# KiCad board QSTU.kicad_pcb
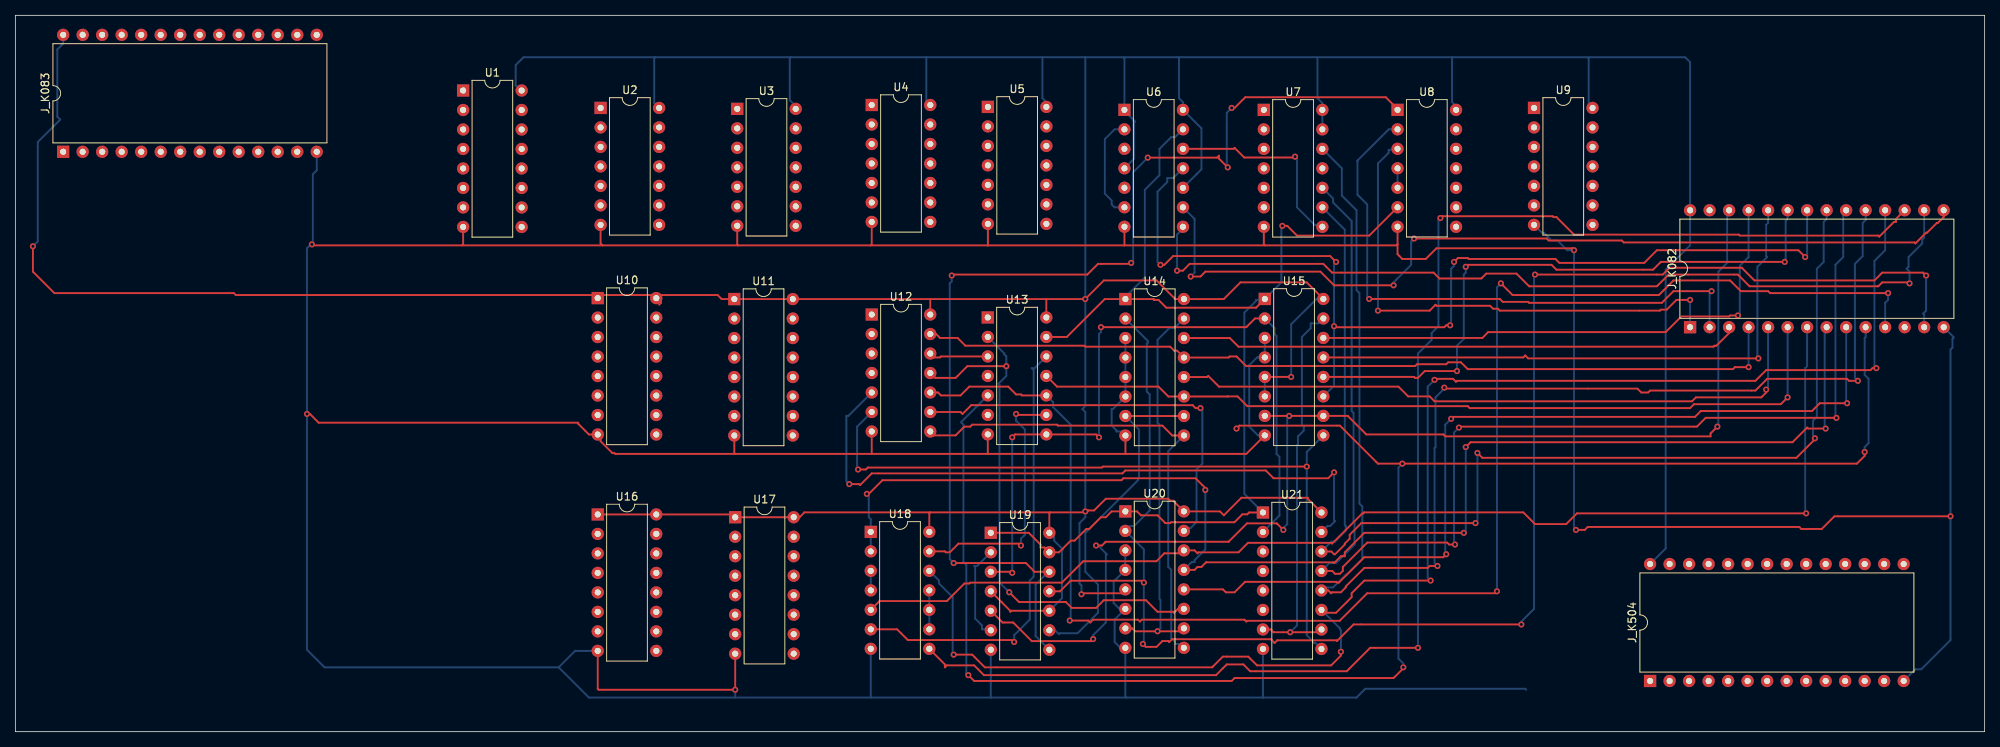
[diagram p0: board, top side]
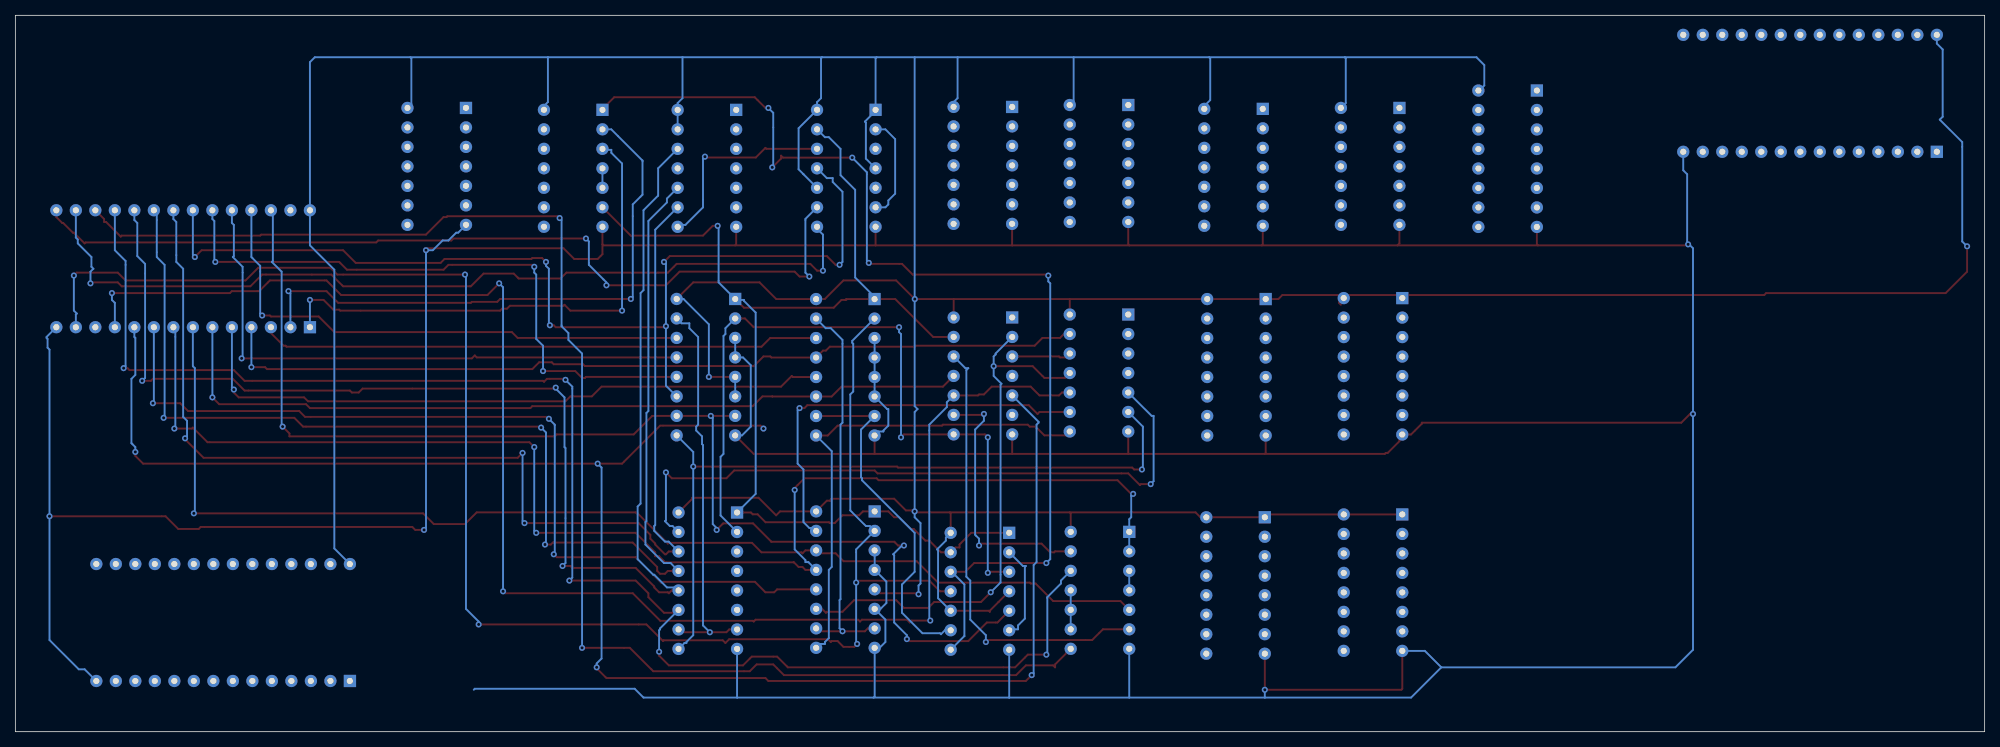
[diagram p1: board, bottom side, seen from below]

Outline 256.41 x 93.34 mm; copper layers: Top, Bottom. Coordinates in mm from the lower left corner of the outline.
Outline path: 0,93.34 256.41,93.34 256.41,0 0,0 0,93.34

## Placement (name value [footprint] x y rotation side)
J_K082  Conn_02x14_Counter_Clockwise  [DIP-28_W15.24mm]  218.06 52.71 90 top
J_K083  Conn_02x14_Counter_Clockwise  [DIP-28_W15.24mm]  6.22 75.57 90 top
J_K504  Conn_02x14_Counter_Clockwise  [DIP-28_W15.24mm]  212.85 6.6 90 top
U1  74LS157  [DIP-16_W7.62mm]  58.3 83.55 0 top
U2  74LS00  [DIP-14_W7.62mm]  76.2 81.28 0 top
U3  74LS00  [DIP-14_W7.62mm]  93.99 81.16 0 top
U4  74LS74  [DIP-14_W7.62mm]  111.51 81.66 0 top
U5  74LS74  [DIP-14_W7.62mm]  126.63 81.41 0 top
U6  74LS74  [DIP-14_W7.62mm]  144.41 81.03 0 top
U7  74LS20  [DIP-14_W7.62mm]  162.56 81.03 0 top
U8  74LS14  [DIP-14_W7.62mm]  179.97 81.03 0 top
U9  74LS107  [DIP-14_W7.62mm]  197.74 81.28 0 top
U10  74LS194  [DIP-16_W7.62mm]  75.83 56.5 0 top
U11  74LS194  [DIP-16_W7.62mm]  93.61 56.37 0 top
U12  74LS04  [DIP-14_W7.62mm]  111.51 54.36 0 top
U13  74LS74  [DIP-14_W7.62mm]  126.62 53.98 0 top
U14  74LS161  [DIP-16_W7.62mm]  144.54 56.37 0 top
U15  74LS161  [DIP-16_W7.62mm]  162.69 56.39 0 top
U16  74LS194  [DIP-16_W7.62mm]  75.83 28.31 0 top
U17  74LS194  [DIP-16_W7.62mm]  93.73 27.94 0 top
U18  74LS00  [DIP-14_W7.62mm]  111.38 26.04 0 top
U19  74LS74  [DIP-14_W7.62mm]  127.01 25.91 0 top
U20  74LS161  [DIP-16_W7.62mm]  144.53 28.7 0 top
U21  74LS161  [DIP-16_W7.62mm]  162.44 28.56 0 top

## Library data of the parts
J_K082 J_K083 J_K504 = -: Description: Generic connector, double row, 02x14, counter clockwise pin numbering scheme (similar to DIP package numbering), script generated (kicad-library-utils/schlib/autogen/connector/)
U1 = -: Description: Quad 2 to 1 line Multiplexer
U2 U3 U18 = -: Description: quad 2-input NAND gate
U4-U6 U13 U19 = -: Description: Dual D Flip-flop, Set & Reset
U7 = -: Description: Dual 4-input NAND
U8 = -: Description: Hex inverter schmitt trigger
U9 = -: Description: Dual JK Flip-Flop, reset
U10 U11 U16 U17 = -: Description: Shift Register 4-bit Bidirectional
U12 = -: Description: Hex Inverter
U14 U15 U20 U21 = -: Description: Synchronous 4-bit programmable binary Counter

## Footprints (pads in the part's own frame, mm; a bottom-side part is the same pattern mirrored in y, then rotated)
DIP-14_W7.62mm
  rect 1.6x1.6 hole 0.8: 1(0,0)
  oval 1.6x1.6 hole 0.8: 2(0,-2.54) 3(0,-5.08) 4(0,-7.62) 5(0,-10.16) 6(0,-12.7) 7(0,-15.24) 8(7.62,-15.24) 9(7.62,-12.7) 10(7.62,-10.16) 11(7.62,-7.62) 12(7.62,-5.08) 13(7.62,-2.54) 14(7.62,0)
DIP-16_W7.62mm
  rect 1.6x1.6 hole 0.8: 1(0,0)
  oval 1.6x1.6 hole 0.8: 2(0,-2.54) 3(0,-5.08) 4(0,-7.62) 5(0,-10.16) 6(0,-12.7) 7(0,-15.24) 8(0,-17.78) 9(7.62,-17.78) 10(7.62,-15.24) 11(7.62,-12.7) 12(7.62,-10.16) 13(7.62,-7.62) 14(7.62,-5.08) 15(7.62,-2.54) 16(7.62,0)
DIP-28_W15.24mm
  rect 1.6x1.6 hole 0.8: 1(0,0)
  oval 1.6x1.6 hole 0.8: 2(0,-2.54) 3(0,-5.08) 4(0,-7.62) 5(0,-10.16) 6(0,-12.7) 7(0,-15.24) 8(0,-17.78) 9(0,-20.32) 10(0,-22.86) 11(0,-25.4) 12(0,-27.94) 13(0,-30.48) 14(0,-33.02) 15(15.24,-33.02) 16(15.24,-30.48) 17(15.24,-27.94) 18(15.24,-25.4) 19(15.24,-22.86) 20(15.24,-20.32) 21(15.24,-17.78) 22(15.24,-15.24) 23(15.24,-12.7) 24(15.24,-10.16) 25(15.24,-7.62) 26(15.24,-5.08) 27(15.24,-2.54) 28(15.24,0)

## Nets
+5V: J_K082.28 J_K083.28 J_K504.28 U1.16 U2.14 U3.14 U4.14 U5.14 U6.1 U6.4 U6.10 U6.14 U7.13 U7.14 U8.14 U9.14 U10.16 U11.1 U11.16 U12.14 U13.14 U14.16 U15.5 U15.6 U15.16 U16.1 U16.16 U17.1 U17.16 U18.14 U19.4 U19.10 U19.14 U20.5 U20.16 U21.16
GND: J_K082.14 J_K083.14 J_K504.14 U1.8 U2.7 U3.7 U4.7 U5.7 U6.7 U7.7 U8.7 U9.7 U10.8 U11.8 U12.7 U13.7 U14.3 U14.4 U14.5 U14.6 U14.8 U15.3 U15.4 U15.8 U16.8 U17.8 U18.7 U19.7 U20.3 U20.4 U20.6 U20.8 U21.6 U21.8
K082_CLK: U13.8 U15.2 U19.3 U21.2
K082_nReset: U6.13 U8.6 U13.13 U14.1 U15.1 U19.1 U19.13 U20.1 U21.1
K082_P01: J_K082.1 U8.3
K082_P02: J_K082.2 U8.2
K082_P03: J_K082.3 U14.14
K082_P04: J_K082.4 U12.13 U14.13
K082_P05: J_K082.5 U14.12
K082_P06: J_K082.6 U13.11 U14.11
K082_P07: J_K082.7 U18.5 U20.14
K082_P08: J_K082.8 U18.1 U18.2 U20.13
K082_P09: J_K082.9 U20.12
K082_P10: J_K082.10 U13.5
K082_P11: J_K082.11 U12.10 U13.10
K082_P12: J_K082.12
K082_P13: J_K082.13 U14.2 U19.11 U20.2
K082_P15: J_K082.15 U6.9
K082_P16: J_K082.16 U6.8
K082_P17: J_K082.17 U18.8
K082_P18: J_K082.18 U18.12 U21.11
K082_P19: J_K082.19 U7.12 U21.12
K082_P20: J_K082.20 U7.10 U21.13
K082_P21: J_K082.21 U7.9 U21.14
K082_P22: J_K082.22 U6.11 U15.11
K082_P23: J_K082.23 U15.12
K082_P24: J_K082.24 U15.13
K082_P25: J_K082.25 U15.14
K082_P26: J_K082.26 U15.7 U15.10 U19.5
Net-(U6A-D): U6.2 U6.6
Net-(U6B-D): U6.12 U7.8
Net-(U8-Pad4): U8.4 U8.5
Net-(U13A-C): U12.12 U13.3
Net-(U13A-D): U12.11 U13.2 U20.11
Net-(U13B-D): U13.12 U18.6
Net-(U13B-Q): U13.9 U18.13
Net-(U14-CEP): U14.7 U14.10 U19.9
Net-(U14-TC): U14.15 U20.7 U20.10
Net-(U14-~{PE}): U12.8 U14.9 U20.9
Net-(U15-TC): U15.15 U21.7 U21.10
Net-(U15-~{PE}): U12.6 U15.9 U21.9
Net-(U18-Pad3): U18.3 U18.4
Net-(U18-Pad10): U18.9 U18.10 U18.11
Net-(U19A-D): U19.2 U19.6
Net-(U19B-D): U8.1 U19.8 U19.12
Net-(U20-TC): U12.9 U20.15
Net-(U21-TC): U12.5 U21.15

Pads without a net: J_K082 27; J_K083 1 2 3 4 5 6 7 8 9 10 11 12 13 15 16 17 18 19 20 21 22 23 24 25 26 27; J_K504 1 2 3 4 5 6 7 8 9 10 11 12 13 15 16 17 18 19 20 21 22 23 24 25 26 27; U1 1 2 3 4 5 6 7 9 10 11 12 13 14 15; U2 1 2 3 4 5 6 8 9 10 11 12 13; U3 1 2 3 4 5 6 8 9 10 11 12 13; U4 1 2 3 4 5 6 8 9 10 11 12 13; U5 1 2 3 4 5 6 8 9 10 11 12 13; U6 3 5; U7 1 2 3 4 5 6 11; U8 8 9 10 11 12 13; U9 1 2 3 4 5 6 8 9 10 11 12 13; U10 1 2 3 4 5 6 7 9 10 11 12 13 14 15; U11 2 3 4 5 6 7 9 10 11 12 13 14 15; U12 1 2 3 4; U13 1 4 6; U16 2 3 4 5 6 7 9 10 11 12 13 14 15; U17 2 3 4 5 6 7 9 10 11 12 13 14 15; U21 3 4 5

## Via types
v1: diameter 0.8, hole 0.4, Top to Bottom, 102 vias

## Routing (per net, layer and track width the routed paths; a pad name or vN(x,y) marks a point on that pad's centre or on a via; arc(x,y) is an arc through that point)
+5V: length 741.8
  Top w0.25: U13.14 134.24,56.37 ; 134.24,56.37 119.13,56.37 ; 134.24,56.37 v1(139.3,56.37) 141.73,58.8 148.59,58.8 151.02,56.37 U14.16 157.34,56.37 159.51,58.55 168.15,58.55 U15.16 ; U19.4 128.4,16.91 128.4,16.89 129.54,15.75 129.54,15.62 129.67,15.75 U19.10 ; U15.5 v1(166.12,46.23) ; v1(138.81,17.91) 138.94,18.03 144.02,18.03 U20.5 ; U12.14 119.13,56.37 ; 119.13,56.37 U11.16 U11.1 91.96,56.37 91.44,56.9 84.07,56.9 ; 134.75,28.58 134.63,28.46 U19.14 ; 134.75,28.58 119.13,28.58 ; 134.75,28.58 139.45,28.58 139.7,28.83 140.46,28.83 141.99,30.35 150.11,30.35 150.37,30.1 150.75,30.1 U20.16 156.84,28.7 157.35,28.19 159.64,30.48 168.28,30.48 168.28,30.35 U21.16 ; U18.14 119,28.45 119.13,28.58 ; 119.13,28.58 102.74,28.58 102.11,27.94 U17.16 U17.1 93.36,28.31 U16.16 ; 83.82,55.63 84.07,55.88 84.07,56.9 ; 84.07,56.9 28.7,56.9 28.45,57.15 5.08,57.15 2.29,59.94 v1(2.29,63.25) ; U16.1 83.81,28.31
  Bottom w0.25: 152.03,70.87 153.8,72.64 153.8,72.64 154.43,73.28 154.43,78.63 152.03,81.03 152.03,82.03 151.51,82.55 151.51,87.76 151.38,87.88 ; U8.14 187.59,81.52 187.07,82.04 187.07,87.88 ; 83.31,87.88 66.17,87.88 65.15,86.87 65.15,84.2 65.8,83.55 U1.16 ; 83.31,87.88 100.97,87.88 ; 83.31,87.88 83.19,87.76 83.19,81.92 U2.14 ; 187.07,87.88 169.55,87.88 ; 187.07,87.88 204.98,87.88 ; 169.55,87.88 169.55,82.55 170.18,81.92 U7.14 U7.13 ; 169.55,87.88 151.38,87.88 ; 204.98,87.88 217.42,87.88 218.06,87.25 J_K082.28 218.06,63.37 214.88,60.2 214.88,23.88 J_K504.28 ; 204.98,87.88 204.85,87.76 204.85,81.79 U9.14 ; v1(166.12,46.23) 166.12,53.09 169.42,56.39 U15.16 ; J_K083.28 6.22,89.66 5.46,88.9 5.46,80.14 5.84,79.76 2.92,76.84 2.92,63.88 v1(2.29,63.25) ; 100.97,87.88 100.84,87.76 100.84,82.3 101.61,81.52 U3.14 ; 100.97,87.88 118.62,87.88 ; 139.32,87.88 139.32,42.42 138.94,42.04 139.32,41.66 v1(139.32,28.7) 139.32,27.94 138.56,27.18 138.56,19.3 138.81,19.05 v1(138.81,17.91) ; 139.32,87.88 133.73,87.88 ; 139.32,87.88 144.27,87.88 ; U6.4 145.67,74.67 145.67,79.38 145.8,79.5 144.41,80.89 U6.1 144.41,87.75 144.27,87.88 ; 133.73,87.88 133.73,82.55 134.25,82.03 134.25,81.41 ; 133.73,87.88 118.62,87.88 ; 151.38,87.88 144.27,87.88 ; U4.14 118.62,82.17 118.62,87.88 ; U15.5 U15.6 ; U19.14 135.25,25.29 135.25,24.89 136.4,23.75 136.27,23.62 136.27,17.39 U19.10
GND: length 802.2
  Top w0.25: 144.4,63.37 162.69,63.37 ; 144.4,63.37 126.62,63.37 ; 144.4,63.37 144.41,63.38 U6.7 ; 162.69,63.37 179.84,63.37 179.97,63.5 ; 162.69,63.37 162.56,63.5 U7.7 ; 111.38,63.37 126.62,63.37 ; 111.38,63.37 94.11,63.37 ; 111.38,63.37 111.51,63.5 U4.7 ; 126.62,63.37 126.63,63.38 U5.7 ; v1(38.61,63.5) 38.73,63.37 58.17,63.37 ; 76.45,63.37 94.11,63.37 ; 76.45,63.37 58.17,63.37 ; 76.45,63.37 76.2,63.63 U2.7 ; 94.11,63.37 93.99,63.49 U3.7 ; 58.17,63.37 58.3,63.51 U1.8 ; v1(202.95,62.74) 202.69,62.99 185.04,62.99 183.64,61.6 180.59,61.6 179.97,62.22 179.97,63.5 ; U12.7 111.51,36.2 ; 111.51,36.2 126.62,36.2 ; 111.51,36.2 93.73,36.2 ; U16.8 75.83,5.58 75.95,5.46 v1(93.73,5.46) 93.85,5.59 93.73,5.72 U17.8 ; 144.53,36.2 160.27,36.2 U15.8 ; 144.53,36.2 144.54,36.21 U14.8 ; 144.53,36.2 126.62,36.2 ; 179.97,63.5 U8.7 ; 126.62,36.2 U13.7 ; 93.73,36.2 78.1,36.2 77.98,36.32 77.72,36.32 76.2,37.85 76.2,38.35 U10.8 74.69,38.72 73.28,40.13 73.28,40.26 39.5,40.26 38.35,41.4 v1(37.97,41.4) ; 93.73,36.2 93.61,36.31 U11.8 ; v1(203.2,26.29) 204.34,26.29 204.72,26.67 232.28,26.67 232.54,26.42 235.2,26.42 236.86,28.07 v1(251.97,28.07)
  Bottom w0.25: 162.43,4.45 174.62,4.45 175.77,5.59 196.6,5.59 196.72,5.46 ; 162.43,4.45 162.44,4.46 U21.8 ; 162.43,4.45 144.65,4.45 ; U19.7 127.01,4.46 127,4.45 ; U14.3 U14.4 U14.5 U14.6 142.9,42.04 142.75,42.04 142.75,39.88 143.38,39.24 143.38,39.12 144.01,39.12 U14.8 ; 70.74,8.38 72.88,10.53 U16.8 ; 70.74,8.38 40.26,8.38 37.97,10.67 37.97,62.99 38.73,63.75 38.73,72.64 39.24,73.15 J_K083.14 ; 70.74,8.38 74.68,4.45 93.73,4.45 ; U15.8 161.8,38.61 160.66,39.75 160.66,47.75 161.67,48.77 162.69,48.77 U15.3 ; 127,4.45 144.65,4.45 ; 127,4.45 111.38,4.45 ; 144.65,4.45 144.53,4.57 U20.8 143.89,10.92 143.13,11.68 143.13,14.61 U20.6 143.76,16 143,16.76 143,19.56 U20.4 U20.3 ; 93.73,4.45 v1(93.73,5.46) ; 93.73,4.45 111.38,4.45 ; J_K504.14 247.4,8.13 248.16,8.13 251.97,11.94 251.97,49.78 252.22,50.04 252.22,51.18 252.35,51.31 252.35,51.44 J_K082.14 ; U18.7 111.38,4.45 ; U9.7 198.75,65.02 199.01,65.02 200.03,64.01 200.79,64.01 202.06,62.74 v1(202.95,62.74) 202.95,26.54 v1(203.2,26.29)
K082_CLK: length 97.9
  Top w0.25: 162.69,53.85 161.42,53.85 160.28,52.71 141.35,52.71 v1(141.35,52.71) ; v1(141.1,38.35) 140.72,38.74 U13.8 130.18,38.74 v1(129.79,38.35) ; U19.3 129.66,20.83 v1(129.79,20.7)
  Bottom w0.25: v1(141.1,38.35) 141.1,51.82 141.35,52.07 v1(141.35,52.71) ; v1(129.79,20.7) v1(129.79,38.35) ; 162.69,53.85 163.96,52.58 163.96,51.82 164.21,51.56 164.21,36.2 164.59,35.81 164.59,28.17 162.44,26.02
K082_nReset: length 155.3
  Top w0.25: U15.1 161.54,55.25 149.86,55.25 148.84,56.26 148.34,56.26 ; 148.34,56.26 148.22,56.37 U14.1 141.84,56.37 136.91,51.44 U13.13 ; 148.34,56.26 148.21,56.26 ; U19.1 131.95,25.91 133.48,24.38 133.48,24 134,24 U19.13 135.9,23.37 137.41,24.89 137.92,24.89 139.45,26.42 139.83,26.42 141.35,27.94 141.99,27.94 142.75,28.7 U20.1 146.05,28.7 146.56,28.19 148.72,28.19 149.73,27.18 150.37,27.18 150.48,27.29 158.73,27.29 159.77,28.32 160.4,28.32 160.64,28.56 U21.1 ; v1(164.97,65.91) 165.61,65.91 166.88,64.64 176.28,64.64 U8.6
  Bottom w0.25: U14.1 144.54,56.65 147.07,59.18 147.07,70.61 148.97,72.52 148.97,75.95 150.5,77.47 151.01,77.47 152.03,78.49 ; U21.1 162.44,28.57 160.02,30.99 160.02,54.61 161.54,56.13 161.54,56.26 162.56,56.26 U15.1 164.85,58.55 164.85,65.79 v1(164.97,65.91)
K082_P01: length 68.1
  Top w0.25: v1(177.42,54.86) 184.15,54.86 184.91,55.63 185.04,55.5 192.02,55.5 192.41,55.12 193.04,55.12 193.29,54.86 214.12,54.86 214.25,54.99 215.01,54.99 216.28,56.26 v1(218.06,56.26)
  Bottom w0.25: v1(177.42,54.86) 177.42,74.04 178.82,75.44 178.82,75.82 179.84,75.82 U8.3 ; J_K082.1 v1(218.06,56.26)
K082_P02: length 75.8
  Top w0.25: v1(220.85,57.4) 215.9,57.4 214.38,55.88 197.1,55.88 196.98,56.01 193.68,56.01 193.29,56.39 v1(176.28,56.39)
  Bottom w0.25: v1(176.28,56.39) 176.02,56.64 176.02,68.71 174.75,69.98 174.75,74.42 178.82,78.49 U8.2 ; v1(220.85,57.4) 220.6,57.15 220.6,52.71
K082_P03: length 72.9
  Top w0.25: J_K082.3 223.14,51.94 221.49,50.29 221.23,50.29 221.11,50.17 159.26,50.17 158.13,51.29 U14.14
K082_P04: length 114.3
  Top w0.25: U12.13 119.89,51.82 120.4,51.31 122.68,51.31 123.7,50.29 139.19,50.29 139.32,50.17 150.37,50.17 150.88,49.66 151.25,49.66 U14.13 157.97,48.75 158.12,48.9 159,48.9 160.27,47.63 160.29,47.64 182.26,47.64 182.5,47.88 186.31,47.88 186.56,48.13 188.21,48.13 189.1,47.24 223.65,47.24 223.9,47.5 v1(225.68,47.5)
  Bottom w0.25: J_K082.4 v1(225.68,47.5)
K082_P05: length 86.3
  Top w0.25: v1(227.97,44.58) 227.97,44.2 227.33,43.56 218.82,43.56 218.31,43.05 184.78,43.05 184.15,43.69 181.36,43.69 180.09,44.96 156.72,44.96 155.32,46.36 155.18,46.21 U14.12
  Bottom w0.25: J_K082.5 228.22,44.83 v1(227.97,44.58)
K082_P06: length 108
  Top w0.25: v1(230.76,43.56) 229.87,42.67 218.57,42.67 218.06,42.16 189.36,42.16 189.1,42.42 160.4,42.42 159.13,43.69 157.86,43.69 157.85,43.67 U14.11 150.13,43.67 148.84,44.96 135.64,44.96 U13.11
  Bottom w0.25: 230.76,52.71 v1(230.76,43.56)
K082_P07: length 153.1
  Top w0.25: v1(233.17,28.45) 203.33,28.45 201.93,27.05 197.87,27.05 196.34,28.58 175.64,28.58 175.51,28.45 175.39,28.45 171.45,24.51 171.36,24.61 160.5,24.61 159.26,23.37 154.05,23.37 153.92,23.24 153.54,23.62 U20.14 151.77,23.24 149.61,23.24 148.57,22.21 139.05,22.21 136.26,19.42 124.32,19.42 124.21,19.3 123.57,19.3 121.28,17.02 112.52,17.02 U18.5
  Bottom w0.25: v1(233.17,28.45) 233.05,28.58 233.05,47.37 233.3,47.63 J_K082.7
K082_P08: length 176.7
  Top w0.25: v1(188.59,25.91) 175.64,25.91 173.1,23.37 173.1,22.86 172.59,22.86 171.7,21.97 171.61,22.07 155.1,22.07 155.07,22.1 154.43,21.46 153.92,21.46 153.54,21.08 U20.13 ; v1(154.94,31.5) 154.94,31.75 153.67,33.02 144.27,33.02 144.02,32.77 112.9,32.77 111.12,30.99 v1(110.87,30.99) ; v1(235.71,39.5) 233.43,39.5 233.3,39.62 231.39,37.72 189.48,37.72 v1(188.85,37.08)
  Bottom w0.25: v1(188.59,25.91) 188.85,26.16 v1(188.85,37.08) ; U20.13 153.16,22.1 153.54,22.1 153.54,22.35 154.94,23.75 v1(154.94,31.5) ; v1(110.87,30.99) 111.12,30.73 111.12,27.94 111.38,27.69 U18.1 U18.2 ; J_K082.8 235.59,52.45 235.59,39.62 v1(235.71,39.5)
K082_P09: length 116.8
  Top w0.25: U20.12 157.23,18.54 157.61,18.16 158.75,18.16 160.11,19.53 171.99,19.53 172.09,19.43 172.34,19.43 175.64,22.73 185.93,22.73 v1(186.31,23.11) ; v1(186.94,40.77) 187.2,41.02 218.69,41.02 219.46,41.78 233.93,41.78 234.95,42.8 v1(238.51,42.8)
  Bottom w0.25: v1(186.94,40.77) 186.18,40.01 186.18,23.24 v1(186.31,23.11) ; v1(238.51,42.8) 238.38,42.93 J_K082.9
K082_P10: length 224.7
  Top w0.25: v1(159,39.5) 159.39,39.88 172.47,39.88 177.42,34.93 239.78,34.93 240.79,35.94 v1(240.79,36.45) ; v1(180.72,8.38) 180.72,8.25 179.45,6.99 158.75,6.99 158.37,6.6 124.84,6.6 v1(124.08,7.37)
  Bottom w0.25: v1(180.59,34.93) 180.09,34.42 180.09,9.53 180.72,8.89 v1(180.72,8.38) ; U13.5 123.19,40.39 123.19,40.26 123.44,40.01 123.44,22.1 123.83,21.72 123.83,7.62 v1(124.08,7.37) ; v1(240.79,36.45) 240.79,37.08 241.3,37.59 241.3,45.97 240.79,46.48 240.79,51.31 240.92,51.44 J_K082.10
K082_P11: length 202.2
  Top w0.25: v1(192.91,18.29) 192.66,18.03 176.02,18.03 172.43,14.45 160.37,14.45 160.27,14.35 160.04,14.59 146.67,14.59 146.43,14.35 146.19,14.59 140.32,14.59 139.95,14.22 139.7,14.48 v1(137.29,14.48) ; v1(243.84,57.15) 228.47,57.15 228.22,57.4 224.66,57.4 223.27,58.8 215.9,58.8 214,56.9 194.94,56.9 v1(193.42,58.42) ; U12.10 120.14,44.2 120.52,43.82 123.06,43.82 124.21,44.96 129.29,44.96 130.3,43.94 130.94,43.94 131.06,43.82 U13.10
  Bottom w0.25: U13.10 135.13,42.93 135.13,42.29 137.41,40.01 137.41,14.61 v1(137.29,14.48) ; v1(192.91,18.29) 192.91,57.91 v1(193.42,58.42) ; J_K082.11 243.46,55.88 243.84,56.26 v1(243.84,57.15)
K082_P13: length 216.5
  Top w0.25: U19.11 136.01,18.29 136.02,18.29 137.4,19.67 146.7,19.67 v1(146.94,19.43) ; v1(196.09,13.97) 174.24,13.97 172.09,11.81 171.99,11.91 164.31,11.91 163.96,11.56 163.47,12.05 150.6,12.05 150.24,11.68 150.11,11.81 149.35,11.81 148.59,11.05 147.19,11.05 v1(146.81,11.43) ; v1(197.87,59.56) 214.5,59.56 215.39,60.45 224.79,60.45 226.44,58.8 242.06,58.8 243.08,59.82 248.41,59.82 v1(248.79,59.44)
  Bottom w0.25: U14.2 147.45,50.92 147.45,50.67 147.32,50.55 147.32,44.32 147.7,43.94 147.7,28.83 145.67,26.8 145.16,26.8 U20.2 146.94,23.75 146.94,11.56 v1(146.81,11.43) ; J_K082.13 248.54,54.36 248.41,54.48 248.79,54.86 v1(248.79,59.44) ; v1(196.09,13.97) 196.09,14.35 197.74,16 197.74,59.44 v1(197.87,59.56)
K082_P15: length 116
  Top w0.25: v1(182.12,64.26) 199.39,64.26 199.64,64.01 209.17,64.01 209.42,63.75 247.27,63.75 247.4,63.63 248.79,65.02 248.92,65.02 250.19,66.29 250.32,66.29 251.08,67.06 J_K082.15 ; v1(179.45,58.17) 171.7,58.17 169.93,59.94 154.94,59.94 154.31,59.31 v1(153.03,59.31)
  Bottom w0.25: v1(182.12,64.26) 181.74,63.88 181.74,60.83 179.45,58.55 v1(179.45,58.17) ; 152.03,68.33 153.54,66.82 153.54,59.82 v1(153.03,59.31)
K082_P16: length 115.7
  Top w0.25: v1(151.26,60.07) 152.02,60.07 152.91,60.96 170.31,60.96 171.45,59.82 184.66,59.82 185.42,59.06 190.88,59.06 191.52,59.69 195.45,59.69 197.1,58.04 213.74,58.04 215.27,59.56 224.28,59.56 225.81,58.04 242.57,58.04 243.08,58.55 246.51,58.55 v1(246.63,58.42)
  Bottom w0.25: v1(151.26,60.07) 151.26,64.77 152.03,65.54 152.03,65.79 ; J_K082.16 248.54,64.39 248.29,64.14 248.29,63.63 246.51,61.85 246.51,60.58 246.25,60.33 246.63,59.94 v1(246.63,58.42)
K082_P17: length 188.2
  Top w0.25: J_K082.17 244.86,66.8 244.86,66.42 244.6,66.42 242.7,64.52 242.57,64.64 224.54,64.64 224.41,64.77 202.95,64.77 200.66,67.06 200.28,67.06 200.17,67.17 185.78,67.17 v1(185.55,66.93) ; v1(182.63,10.92) 176.4,10.92 173.36,7.87 160.78,7.87 159.89,8.76 157.73,8.76 156.34,7.37 126.11,7.37 124.84,8.64 121.28,8.64 121.03,8.38 121.03,8.76 U18.8
  Bottom w0.25: v1(185.55,66.93) 185.29,66.68 185.29,52.83 184.4,51.94 184.4,51.05 182.63,49.28 v1(182.63,10.92)
K082_P18: length 194.7
  Top w0.25: v1(184.28,19.69) 175.64,19.69 173.99,18.03 173.99,17.53 171.96,15.49 170.43,15.49 170.06,15.86 ; v1(122.17,10.03) 124.59,10.03 126.24,8.38 155.83,8.38 157.23,9.78 160.53,9.78 161.67,8.64 171.32,8.64 172.59,9.91 v1(172.59,10.41) ; v1(242.32,47.37) 241.81,47.37 241.55,47.12 227.97,47.12 226.57,45.72 187.71,45.72 187.58,45.59 187.2,45.97 184.91,45.97 v1(184.78,45.85)
  Bottom w0.25: 170.06,15.86 172.47,13.46 172.47,13.34 172.59,13.21 v1(172.59,10.41) ; v1(184.78,45.85) 183.9,44.96 183.9,20.07 v1(184.28,19.69) ; v1(242.32,47.37) 242.06,47.63 242.06,61.34 243.46,62.74 J_K082.18 ; v1(122.17,10.03) 122.05,10.16 122.05,17.53 120.27,19.3 120.27,19.69 U18.12
K082_P19: length 181.3
  Top w0.25: v1(186.06,44.83) 186.18,44.7 211.2,44.7 211.71,44.2 212.6,44.2 212.85,44.45 226.57,44.45 228.09,45.97 238.51,45.97 238.76,45.72 v1(239.9,45.72) ; U21.12 170.96,18.4 171.32,18.03 171.45,18.16 172.59,18.16 173.23,18.8 173.23,18.92 175.64,21.34 183.9,21.34 184.15,21.59 v1(185.17,21.59)
  Bottom w0.25: U7.12 172.72,73.41 172.72,69.85 174.62,67.95 174.62,57.53 175.01,57.15 175.01,29.72 175.39,29.34 175.39,22.48 173.36,20.45 173.23,20.45 171.58,18.8 170.46,18.8 U21.12 ; J_K082.19 240.92,66.68 240.54,66.29 240.54,61.98 239.52,60.96 239.52,46.1 v1(239.9,45.72) ; v1(186.06,44.83) 186.06,44.7 184.91,43.56 184.91,37.08 184.78,36.96 184.78,21.97 v1(185.17,21.59)
K082_P20: length 166.5
  Top w0.25: v1(187.45,24.38) 186.69,24.38 186.44,24.64 176.02,24.64 172.85,21.46 172.85,20.96 172.47,20.57 171.83,20.57 171.47,20.94 170.06,20.94 ; v1(187.96,39.62) 188.09,39.75 218.95,39.75 220.09,40.89 v1(237.11,40.89)
  Bottom w0.25: 170.06,20.94 171.09,21.97 171.96,21.97 174.37,24.38 174.37,27.31 174.24,27.43 174.24,41.53 173.99,41.78 173.99,66.55 171.58,68.96 171.58,69.47 U7.10 ; v1(237.11,40.89) 236.98,41.02 236.98,60.83 238,61.85 238,67.56 J_K082.20 ; v1(187.96,39.62) 187.33,38.99 187.33,24.51 v1(187.45,24.38)
K082_P21: length 155.1
  Top w0.25: v1(234.31,38.23) 234.31,38.1 231.9,35.69 191.01,35.69 v1(190.37,36.32) ; U21.14 171.34,23.48 171.7,23.11 171.83,23.11 173.1,24.38 173.1,24.51 173.74,25.15 173.74,25.65 175.26,27.18 v1(190.12,27.18)
  Bottom w0.25: v1(190.12,27.18) 190.37,27.43 v1(190.37,36.32) ; U7.9 173.1,65.41 173.1,26.92 173.23,26.8 173.23,26.16 171.83,24.77 171.35,24.77 U21.14 ; v1(234.31,38.23) 234.06,38.48 234.06,40.51 234.57,41.02 234.57,60.33 235.46,61.21 235.46,66.42 235.84,66.8 J_K082.21
K082_P22: length 133.6
  Top w0.25: v1(171.96,61.21) 171.2,61.98 150.75,61.98 149.61,60.83 v1(149.1,60.83) ; v1(186.82,52.96) 186.31,52.96 186.06,52.71 171.83,52.71 v1(171.7,52.83) ; v1(187.33,61.21) 187.83,61.72 189.1,61.72 189.23,61.6 200.53,61.6 201.04,61.09 212.09,61.09 213.74,62.74 232.16,62.74 v1(233.05,61.85)
  Bottom w0.25: v1(186.82,52.96) 186.94,53.09 186.94,60.33 187.33,60.71 v1(187.33,61.21) ; 152.03,73.41 150.75,72.14 149.99,72.14 149.99,71.63 148.72,70.36 148.72,61.21 v1(149.1,60.83) ; v1(171.96,61.21) 171.7,60.96 v1(171.7,52.83) 171.7,45.09 U15.11 ; v1(233.05,61.85) 233.3,62.1 J_K082.22
K082_P23: length 81.1
  Top w0.25: v1(230.38,61.21) 214.25,61.21 213.23,60.2 200.66,60.2 200.03,60.83 189.1,60.83 v1(188.85,60.58) ; U15.12 182.12,46.23 182.25,46.1 182.63,46.1 183.52,46.99 v1(187.71,46.99)
  Bottom w0.25: 230.76,67.95 230.76,66.8 230.5,66.55 230.5,61.34 v1(230.38,61.21) ; v1(188.85,60.58) 188.85,59.82 188.59,59.56 188.59,51.18 187.71,50.29 v1(187.71,46.99)
K082_P24: length 76.9
  Top w0.25: 170.31,48.77 196.34,48.77 196.6,49.02 196.98,48.64 v1(226.95,48.64)
  Bottom w0.25: J_K082.24 228.22,66.29 227.97,66.04 227.97,61.98 228.09,61.85 226.82,60.58 226.82,48.77 v1(226.95,48.64)
K082_P25: length 69.5
  Top w0.25: v1(224.28,54.23) 223.27,54.23 223.14,54.1 216.92,54.1 214.88,52.07 191.77,52.07 191.01,51.31 U15.14
  Bottom w0.25: J_K082.25 225.68,61.85 224.54,60.71 224.54,54.48 v1(224.28,54.23)
K082_P26: length 159.6
  Top w0.25: v1(140.34,12.06) 140.07,11.8 132.35,11.8 129.92,14.22 128.54,14.22 U19.5 ; U15.7 v1(165.86,41.15) U15.10 173.48,41.15 175.9,38.74 185.93,38.74 186.18,38.48 220.73,38.48 220.73,38.86 v1(221.62,39.75) ; v1(165.1,26.29) 164.24,27.15 160.37,27.15 157.97,24.75 141.97,24.75 141.48,24.26 v1(140.72,24.26)
  Bottom w0.25: v1(140.72,24.26) 140.97,24.26 142.11,23.11 141.99,22.99 141.99,14.22 140.34,12.57 v1(140.34,12.06) ; v1(221.62,39.75) 221.74,39.88 221.74,59.94 223.01,61.21 222.89,61.34 222.89,67.69 J_K082.26 ; v1(165.1,26.29) 165.1,26.54 165.61,27.05 165.61,40.89 v1(165.86,41.15)
Net-(U6A-D): length 13.8
  Bottom w0.25: U6.6 143.12,68.33 142.75,68.71 142.75,69.22 141.86,70.1 141.86,77.22 143.13,78.49 U6.2
Net-(U6B-D): length 26.3
  Top w0.25: 152.03,75.95 158.63,75.95 158.75,76.07 160,74.82 166.52,74.82 v1(166.62,74.93)
  Bottom w0.25: U7.8 169.93,66.04 169.16,66.04 166.88,68.33 166.88,74.68 v1(166.62,74.93)
Net-(U8-Pad4): length 2.5
  Bottom w0.25: U8.4 U8.5
Net-(U13A-C): length 7.8
  Top w0.25: U13.3 120.52,48.9 120.4,48.77 119.63,48.77 U12.12
Net-(U13A-D): length 70.9
  Top w0.25: U20.11 151.38,16 150.88,15.49 150.75,15.62 148.72,15.62 147.21,17.13 141.71,17.13 140.72,16.13 137.54,16.13 136.78,16.89 130.68,16.89 v1(129.41,18.16) ; U12.11 119.76,46.1 122.43,46.1 123.95,47.63 v1(129.03,47.63)
  Bottom w0.25: U13.2 128.78,49.28 128.78,49.15 129.03,48.9 v1(129.03,47.63) 129.03,46.36 128.02,45.34 128.14,45.22 128.14,19.44 v1(129.41,18.16)
Net-(U13B-D): length 58.7
  Top w0.25: v1(130.05,11.68) 129.79,11.94 116.21,11.94 114.81,13.34 U18.6
  Bottom w0.25: v1(130.05,11.68) 130.05,12.57 132.08,14.61 132.08,19.69 132.59,20.19 132.59,47.12 132.33,47.37 132.72,47.37 U13.12
Net-(U13B-Q): length 34.4
  Top w0.25: v1(130.94,24.26) 130.7,24.5 122.8,24.5 121.67,23.37 121.16,23.37 121.03,23.5 U18.13 ; v1(130.3,41.4) 130.43,41.28 U13.9
  Bottom w0.25: v1(130.94,24.26) 130.94,25.15 131.44,25.65 131.44,39.37 130.3,40.51 v1(130.3,41.4)
Net-(U14-CEP): length 45.3
  Top w0.25: U14.7 U14.10
  Bottom w0.25: U19.9 135.38,13.21 135.89,12.7 136.02,12.83 138.3,12.83 140.97,15.49 140.97,19.18 139.32,20.83 139.32,25.91 146.18,32.77 146.18,33.02 146.3,33.15 146.3,39.37 U14.7
Net-(U14-TC): length 50.8
  Top w0.25: U20.10 151.77,13.08 145.8,13.08 145.42,13.46 U20.7
  Bottom w0.25: U14.15 150.9,52.58 150.24,52.58 148.72,51.05 148.72,40.26 148.97,40.01 148.97,17.27 149.1,17.15 149.1,13.46 v1(148.72,13.08)
Net-(U14-~{PE}): length 64.1
  Top w0.25: U12.8 119.63,38.61 122.43,38.61 123.57,39.75 124.33,39.75 124.59,40.01 135.64,40.01 135.76,39.88 149.35,39.88 150.64,38.59 U14.9
  Bottom w0.25: U20.9 151.64,11.43 151,11.43 151,11.68 150.5,12.19 150.5,21.08 150.11,21.46 150.11,36.55 U14.9
Net-(U15-TC): length 51.4
  Top w0.25: 162.44,13.32 163.46,13.32 163.83,12.95 169.7,12.95 170.06,13.32
  Bottom w0.25: 170.31,53.85 169.67,53.21 168.66,53.21 168.66,52.58 167.51,51.44 167.51,40.01 167.77,39.75 167.77,39.24 167,38.48 167,37.47 166.88,37.34 166.88,13.84 v1(165.99,12.95)
Net-(U15-~{PE}): length 96.6
  Top w0.25: v1(109.73,34.16) 110.74,34.16 111,34.42 141.48,34.42 141.61,34.54 v1(168.15,34.54)
  Bottom w0.25: U12.6 109.6,39.75 109.6,34.29 v1(109.73,34.16) ; U15.9 168.15,36.45 168.15,12.57 169.04,11.68 169.04,11.56 169.29,11.56 U21.9
Net-(U18-Pad3): length 2.5
  Bottom w0.25: U18.3 U18.4
Net-(U18-Pad10): length 5.1
  Bottom w0.25: U18.11 U18.10 U18.9
Net-(U19A-D): length 12.8
  Bottom w0.25: U19.6 126.89,13.34 125.86,13.34 125.86,13.84 124.97,14.73 124.97,21.46 124.84,21.59 125.23,21.59 U19.2
Net-(U19B-D): length 143.5
  Top w0.25: v1(121.92,59.44) 122.05,59.56 139.57,59.56 140.97,60.96 145.16,60.96 v1(145.29,61.09) ; v1(147.45,74.8) 156.46,74.8 156.72,75.06 156.72,74.68 v1(157.86,73.53) ; U19.12 132.71,20.83 131.57,21.97 v1(122.17,21.97) ; v1(158.37,81.28) 158.75,81.28 160.15,82.68 178.44,82.68 179.97,81.14 U8.1
  Bottom w0.25: v1(157.86,73.53) 157.73,73.66 157.73,80.65 v1(158.37,81.28) ; v1(145.29,61.09) 145.54,61.34 145.54,72.9 v1(147.45,74.8) ; U19.8 132.86,12.45 132.84,12.45 132.84,19.18 134.5,20.83 U19.12 ; v1(121.92,59.44) 121.92,58.67 121.67,58.42 121.67,22.48 v1(122.17,21.97)
Net-(U20-TC): length 53.3
  Top w0.25: U12.9 123.06,41.66 123.32,41.4 124.46,42.55 153.29,42.55 153.67,42.16 v1(154.31,42.16)
  Bottom w0.25: v1(154.31,42.16) 154.56,41.91 154.56,34.93 153.8,34.16 153.8,27.31 153.03,26.54 152.53,26.54 U20.15
Net-(U21-TC): length 87.1
  Top w0.25: v1(171.7,33.78) 170.94,33.02 163.83,33.02 162.81,34.04 144.53,34.04 144.15,33.66 111.51,33.66 109.98,32.13 109.86,32.26 v1(108.59,32.26)
  Bottom w0.25: v1(171.7,33.78) 171.7,27.56 171.83,27.43 171.2,26.8 170.84,26.8 170.06,26.02 ; v1(108.59,32.26) 108.2,32.64 108.2,41.15 108.46,41.15 U12.5
